# Altium PCB Mainboard_bc847c_bak.PcbDoc (part 1 of 2)
Units mm, origin at the board's own origin, x right, y up, seen from the top; angles counter-clockwise.
Board outline 200 x 58.2 mm, 2 copper layers (PWR, GND); 187 components, 194 nets, 654 pads, 78 vias.
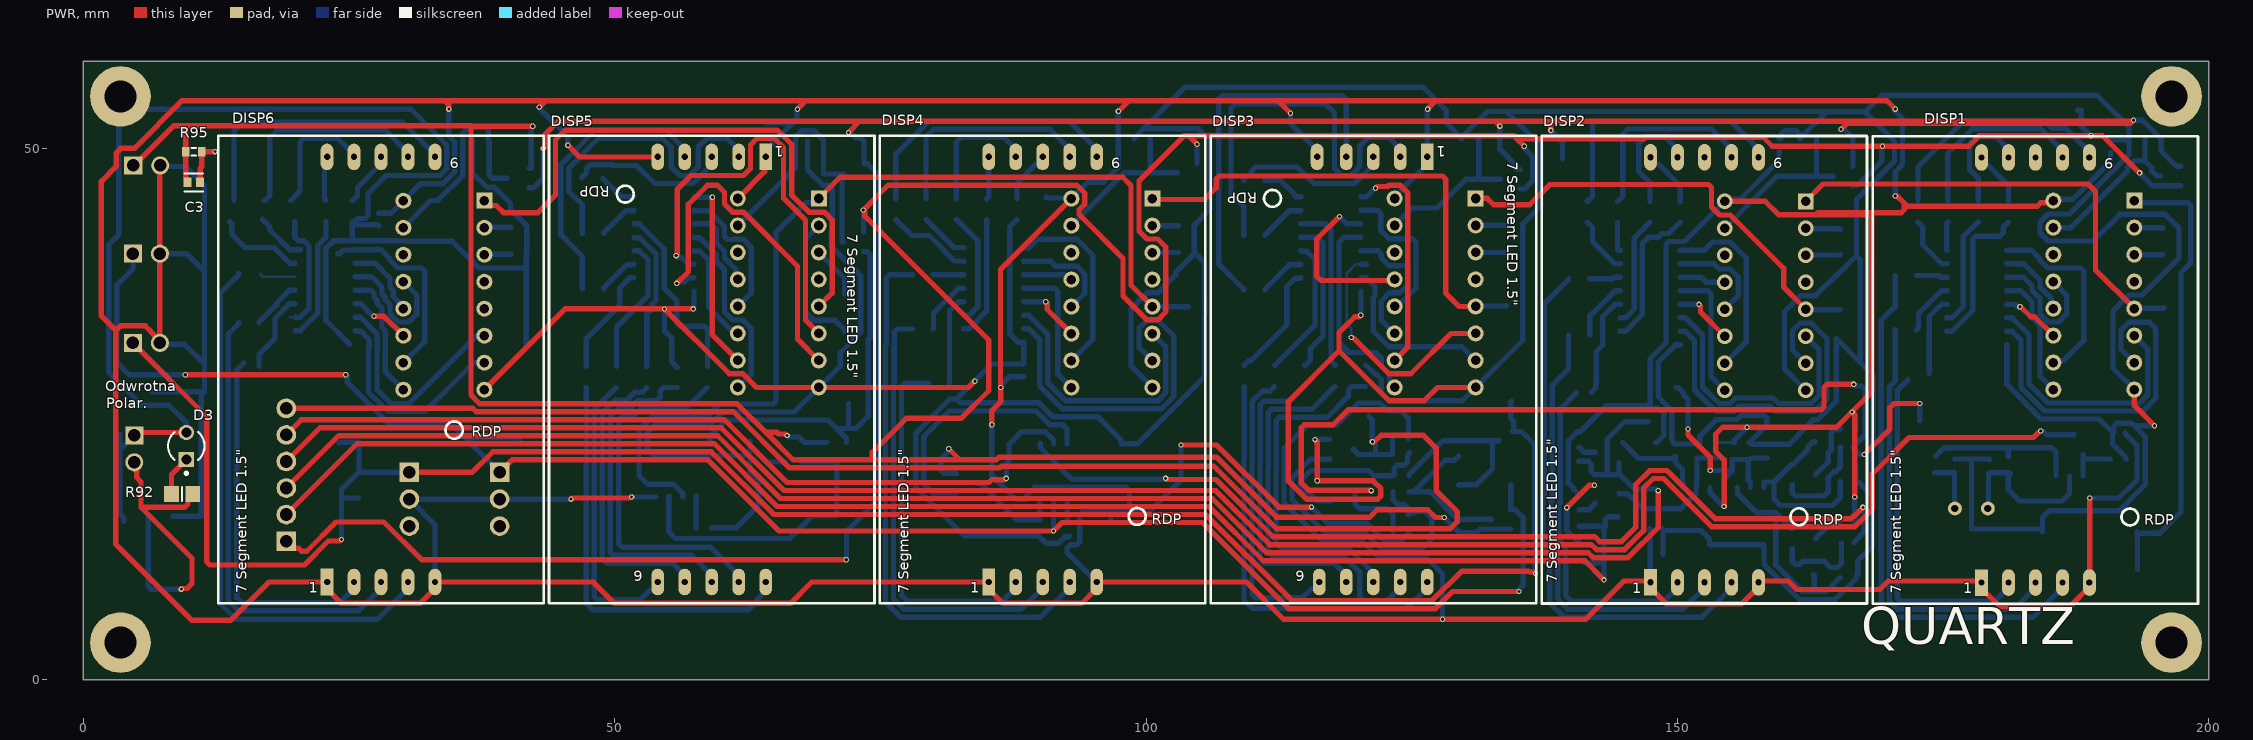
[diagram p0: PWR view]
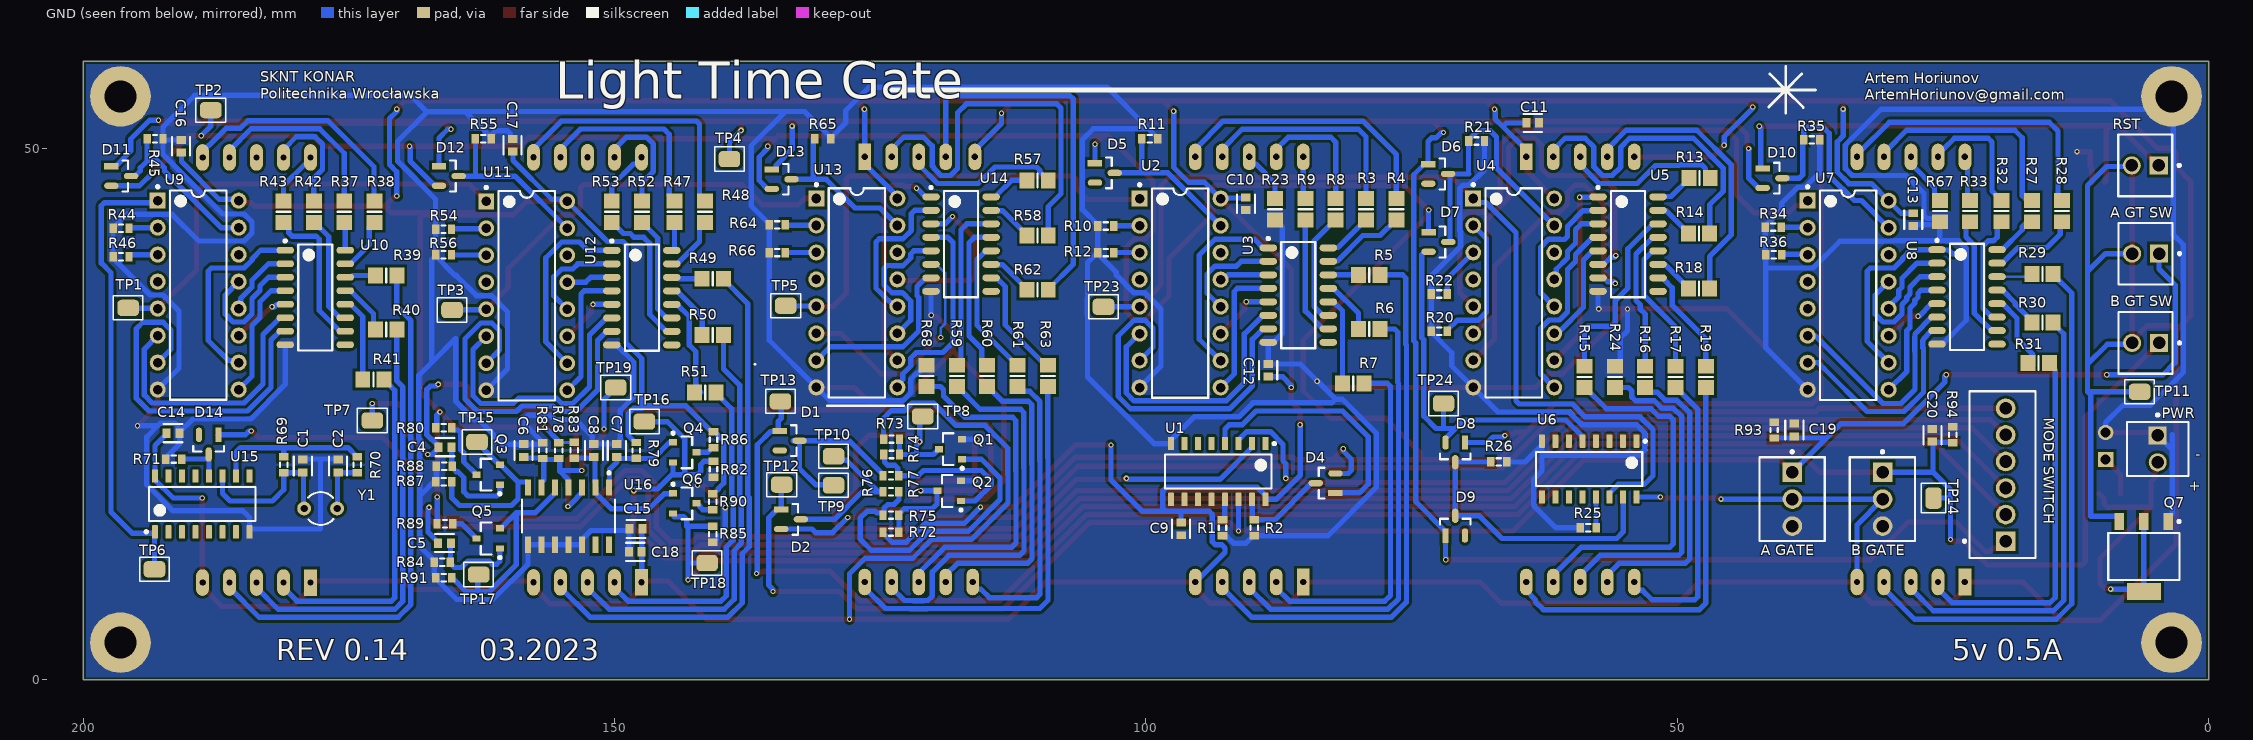
[diagram p1: GND view, seen from below]

## Layer stack, top to bottom
Top Solder: solder mask 0.0102, Solder Resist, Dk 3.5
PWR: signal copper 0.0356
Dielectric 1: dielectric 0.32, FR-4, Dk 4.8
GND: signal copper 0.0356
Bottom Solder: solder mask 0.0102, Solder Resist, Dk 3.5

## Board outline
0,0 200,0 200,58.2 0,58.2

## Design rules (kind name [scope] priority, off if disabled: settings)
BoardOutlineClearance [All] p1: gap=0.254 ignorepadtopadclearanceinfootprint=FALSE except(0: Arc-SplitContinuation Track-SplitContinuation SMDPad-SplitContinuation THPad-SplitContinuation Via-SplitContinuation Fill-SplitContinuation Poly-SplitContinuation Region-SplitContinuation Text-SplitContinuation)
Clearance [All] p1: gap=0.254 ignorepadtopadclearanceinfootprint=FALSE except(0: Arc-Hole Track-Hole SMDPad-Hole THPad-Hole Via-Hole Fill-Hole Poly-Hole Region-Hole Text-Hole)
HoleSize [All] p1: absolutevalues=TRUE maxlimit=6.3 minlimit=0.2 maxpercent=80.000 minpercent=20.000
HoleToHoleClearance HoleToHoleClearance_1 [All] p1: gap=0.5 allowstackedmicrovias=TRUE
MinimumSolderMaskSliver [All] p1: minsoldermaskwidth=0.2
PolygonConnect [All] p1: connectstyle=Direct reliefconductorwidth=0.254 reliefentries=4 polygonreliefangle="90 Angle" airgapwidth=0.254
RoomDefinition Bramka_Main [InComponentClass('Bramka_Main')] p1: confinementstyle=ConfineIn formatcopy=TRUE lockcomponents=FALSE outline 0,54.5 0.1,54.4 12.5,54.4 12.5,27.6 23.1,27.6 25,25.7 44.6,25.7 44.6,5 44.7,4.9 44.4,4.6 0,4.6 0,8.1 0.1,8.2
RoomDefinition "Licznik Minut" [InComponentClass('Licznik Minut')] p2: confinementstyle=ConfineIn formatcopy=TRUE lockcomponents=FALSE outline 12.443,4.9 43.7,4.9 43.7,53.9 12.443,53.9
RoomDefinition "Licznik Sekund" [InComponentClass('Licznik Sekund')] p3: confinementstyle=ConfineIn formatcopy=TRUE lockcomponents=FALSE outline 43.7,4.9 106.1,4.9 106.1,53.9 43.7,53.9
RoomDefinition "Uklad Sterowania" [InComponentClass('Uklad Sterowania')] p4: confinementstyle=ConfineIn formatcopy=TRUE lockcomponents=FALSE outline 76.1,4.7 168.2,4.7 168.2,25.7 76.1,25.7
RoomDefinition "SR latch" [InComponentClass('SR latch')] p5: confinementstyle=ConfineIn formatcopy=TRUE lockcomponents=FALSE outline 114.6,24.2 114.6,12.3 136.3,12.3 136.3,24.2
RoomDefinition "Uklad rozniczkujacy" [InComponentClass('Uklad rozniczkujacy')] p6: confinementstyle=ConfineIn formatcopy=TRUE lockcomponents=FALSE outline 137,25.4 137,8 170.4,8 170.9,8.5 169.9,9.5 169.9,25.3
RoomDefinition "Generator podstawy czasowej" [InComponentClass('Generator podstawy czasowej')] p7: confinementstyle=ConfineIn formatcopy=TRUE lockcomponents=FALSE outline 198.3,24.8 171.7,24.8 171.7,11.3 198.3,11.3
RoomDefinition "Licznik Milisekund" [InComponentClass('Licznik Milisekund')] p8: confinementstyle=ConfineIn formatcopy=TRUE lockcomponents=FALSE outline 106.1,4.9 199.2,4.9 199.2,53.9 106.1,53.9
RoutingVias [All] p1: holewidth=0.3 width=0.5 viastyle="Through Hole" minholewidth=0.3 minwidth=0.5 maxholewidth=0.711 maxwidth=1.27
SilkToSolderMaskClearance [All] p1: minsilkscreentomaskgap=0.15 clearancetoexposedcopper=TRUE
SolderMaskExpansion [All] p1: expansion=0.102 istentingtop=FALSE
Width [All] p1: maxlimit=0.5 minlimit=0.2 preferedwidth=0.5 minimp=50.000000 maximp=50.000000 favimp=50.000000
26 further rules are at their usual default settings.

## Classes and differential pairs
component class "Uklad Sterowania": 2 C9 D1 D2 D4 "MODE SWITCH" R1 R2 U1
component class "Uklad rozniczkujacy": C4 C5 C6 C7 C8 C15 Q3 Q4 Q5 Q6 R78 R79 R80 R81 R82 R83 R84 R85 R86 R87 R88 R89 R90 R91 TP15 TP16 TP17 TP18 TP19 U16
component class "SR latch": Q1 Q2 R72 R73 R74 R75 R76 R77 TP7 TP8 TP9 TP10
component class "Licznik Sekund": C11 C12 D5 D6 D7 D8 D9 DISP5 R3 R4 R5 R6 R7 R8 R9 R10 R11 R12 R13 R14 R15 R16 R17 R18 R19 R20 R21 R22 R23 R24 R25 R26 TP23 U2 U3 U4 U5 U6
component class "Licznik Minut": C13 D10 DISP6 R27 R28 R29 R30 R31 R32 R33 R34 R35 R36 R67 U7 U8
component class "Licznik Milisekund": C16 C17 C18 D11 D12 D13 DISP1 DISP3 R37 R38 R39 R40 R41 R42 R43 R44 R45 R46 R47 R48 R49 R50 R51 R52 R53 R54 R55 R56 R57 R58 R59 R60 R61 R62 R63 R64 R65 R66 R68 TP1 TP2 TP3 TP4 TP5 U9 U10 U11 U12 U13 U14
component class "Generator podstawy czasowej": C1 C2 C14 D14 R69 R70 R71 TP6 U15 Y1
component class Bramka_Main: "A GATE" "A GT SW" "B GATE" "B GT SW" C3 C19 C20 D3 PWR Q7 R92 R93 R94 R95 RST TP11 TP12 TP13 TP14

## Components (designator, comment, footprint, x,y, rotation, side; value= is the part's Value field where it differs from the comment)
"A GATE" "22-29-2031" FP-22-29-2031-MFG 39.2,17 r270 bottom (schematic designator "Bramka A")
"A GT SW" "22-27-2021" MOLX-22-27-2021_V 5.94,40.1 r0 bottom (schematic designator "Bramka A test")
"B GATE" "22-29-2031" FP-22-29-2031-MFG 30.7,17 r270 bottom (schematic designator "Bramka B")
"B GT SW" "22-27-2021" MOLX-22-27-2021_V 5.94,31.7 r0 bottom (schematic designator "Bramka B test")
C1 "C0603_30pf" FP-C0603C-CF-MFG 179.343,20.117 r90 bottom value="30 pF"
C2 "C0603_30pf" FP-C0603C-CF-MFG 176.024,20.117 r90 bottom value="30 pF"
C3 "C0603_30pf" FP-C0603C-CF-MFG 10.4,46.8 r0 top value="30 pF"
C4 "C0603_10nf" FP-C0603C-CF-MFG 165.962,21.887 r180 bottom value="30 pF"
C5 "C0603_10nf" FP-C0603C-CF-MFG 166.015,12.867 r180 bottom value="30 pF"
C6 "C0603_1nf" FP-C0603C-CF-MFG 158.565,21.573 r270 bottom value="30 pF"
C7 "C0603_1nf" FP-C0603C-CF-MFG 149.796,21.584 r270 bottom value="30 pF"
C8 "C0603_1nf" FP-C0603C-CF-MFG 151.953,21.573 r270 bottom value="30 pF"
C9 "C0603_100nf" FP-C0603C-CF-MFG 96.7,14.2 r90 bottom value="30 pF"
C10 "C0603_100nf" FP-C0603C-CF-MFG 90.6,44.8 r90 bottom value="30 pF"
C11 "C0603_100nf" FP-C0603C-CF-MFG 63.6,52.4 r0 bottom value="30 pF"
C12 "C0603_100nf" FP-C0603C-CF-MFG 88.5,29.121 r270 bottom value="30 pF"
C13 "C0603_100nf" FP-C0603C-CF-MFG 27.805,43.3 r90 bottom value="30 pF"
C14 "C0603_100nf" FP-C0603C-CF-MFG 191.554,23.2 r0 bottom value="30 pF"
C15 "C0603_100nf" FP-C0603C-CF-MFG 148,14.2 r180 bottom value="30 pF"
C16 "C0603_100nf" FP-C0603C-CF-MFG 190.793,50.2 r270 bottom value="30 pF"
C17 "C0603_100nf" FP-C0603C-CF-MFG 159.6,50.3 r270 bottom value="30 pF"
C18 "C0603_100nf" FP-C0603C-CF-MFG 148.064,12.043 r180 bottom value="30 pF"
C19 "C0603_30pf" FP-C0603C-CF-MFG 39,23.5 r90 bottom value="30 pF"
C20 "C0603_30pf" FP-C0603C-CF-MFG 26,23 r90 bottom value="30 pF"
D1 "BAT54C-7-F" FP-SOT23-IPC_B 133.527,22.5 r180 bottom
D2 "BAT54C-7-F" FP-SOT23-IPC_B 133.4,15.1 r180 bottom
D3 "HLMP-1301" FP-HLMP-1301-MFG 9.7,22 r90 top
D4 "BAT54C-7-F" FP-SOT23-IPC_B 83.1,18.5 r0 bottom
D5 "BAT54C-7-F" FP-SOT23-IPC_B 103.875,47.7 r180 bottom
D6 "BAT54C-7-F" FP-SOT23-IPC_B 72.5,47.6 r180 bottom
D7 "BAT54C-7-F" FP-SOT23-IPC_B 72.485,41.2 r180 bottom
D8 "BAT54C-7-F" FP-SOT23-IPC_B 70.9,21.4 r270 bottom
D9 "BAT54C-7-F" FP-SOT23-IPC_B 70.9,14.5 r90 bottom
D10 "BAT54C-7-F" FP-SOT23-IPC_B 41.043,47.2 r180 bottom
D11 "BAT54C-7-F" FP-SOT23-IPC_B 196.427,47.4 r180 bottom
D12 "BAT54C-7-F" FP-SOT23-IPC_B 165.6,47.4 r180 bottom
D13 "BAT54C-7-F" FP-SOT23-IPC_B 134.285,47.1 r180 bottom
D14 "BAT54C-7-F" FP-SOT23-IPC_B 188.2,22.127 r270 bottom
DISP1 "LSD150BAG-101-01" "7 segment display"#1 178.616,9.149 r90 top
DISP2 "LSD150BAG-101-01" "7 segment display"#1 147.471,9.17 r90 top
DISP3 "LSD150BAG-101-01_RDP_UP" "7 segment display"#2 126.468,49.2 r270 top
DISP4 "LSD150BAG-101-01" "7 segment display"#1 85.2,9.2 r90 top
DISP5 "LSD150BAG-101-01_RDP_UP" "7 segment display"#1 64.212,49.2 r270 top
DISP6 "LSD150BAG-101-01" "7 segment display"#1 22.94,9.2 r90 top
"MODE SWITCH" "22-04-1061" FP-22-04-1061-MFG 19.4,19.296 r270 bottom (schematic designator "Prelacznik trybu")
PWR "22-27-2021" MOLX-22-27-2021_V 4.8,21.73 r270 bottom (schematic designator Zasilanie)
Q1 "BC847C" INF-SOT23_L 118.5,17.771 r0 bottom
Q2 "BC847C" INF-SOT23_L 118.4,21.7 r0 bottom
Q3 "BC847C" INF-SOT23_L 161.9,19.3 r0 bottom
Q4 "BC847C" INF-SOT23_L 143.4,21.4 r180 bottom
Q5 "BC847C" INF-SOT23_L 161.9,13.3 r0 bottom
Q6 "BC847C" INF-SOT23_L 143.4,16.6 r180 bottom
Q7 "BSP170P" INF-PG-SOT223_SC-73_N 6.1,11.6 r270 bottom
R1 "Res3" J1-0603 92.8,14.3 r270 bottom value=100K
R2 "Res3" J1-0603 89.8,14.3 r270 bottom value=100K
R3 "Res3" 6-0805_M 79.298,44.274 r90 bottom value=150
R4 "Res3" 6-0805_M 76.444,44.274 r90 bottom value=150
R5 "Res3" 6-0805_M 78.991,38.1 r180 bottom value=150
R6 "Res3" 6-0805_M 78.991,33 r180 bottom value=150
R7 "Res3" 6-0805_M 80.5,27.9 r180 bottom value=150
R8 "Res3" 6-0805_M 82.152,44.274 r90 bottom value=150
R9 "Res3" 6-0805_M 85.006,44.274 r90 bottom value=150
R10 "Res3" J1-0603 103.8,42.7 r0 bottom value=100K
R11 "Res3" J1-0603 99.65,50.9 r180 bottom value=100K
R12 "Res3" J1-0603 103.8,40.2 r0 bottom value=100K
R13 "Res3" 6-0805_M 47.9,47.2 r180 bottom value=150
R14 "Res3" 6-0805_M 47.962,42 r180 bottom value=150
R15 "Res3" 6-0805_M 58.734,28.5 r270 bottom value=150
R16 "Res3" 6-0805_M 53.025,28.5 r270 bottom value=150
R17 "Res3" 6-0805_M 50.171,28.5 r270 bottom value=150
R18 "Res3" 6-0805_M 47.962,36.8 r180 bottom value=150
R19 "Res3" 6-0805_M 47.316,28.5 r270 bottom value=150
R20 "Res3" J1-0603 72.4,32.8 r0 bottom value=100K
R21 "Res3" J1-0603 68.9,50.7 r180 bottom value=100K
R22 "Res3" J1-0603 72.4,36.3 r0 bottom value=100K
R23 "Res3" 6-0805_M 87.861,44.274 r90 bottom value=150
R24 "Res3" 6-0805_M 55.879,28.5 r270 bottom value=150
R25 "Res3" J1-0603 58.4,14.3 r0 bottom value=100K
R26 "Res3" J1-0603 66.8,20.5 r180 bottom value=100K
R27 "Res3" 6-0805_M 16.643,44.1 r90 bottom value=150
R28 "Res3" 6-0805_M 13.789,44.1 r90 bottom value=150
R29 "Res3" 6-0805_M 15.643,38.2 r180 bottom value=150
R30 "Res3" 6-0805_M 15.643,33.6 r180 bottom value=150
R31 "Res3" 6-0805_M 16,29.8 r180 bottom value=150
R32 "Res3" 6-0805_M 19.498,44.1 r90 bottom value=150
R33 "Res3" 6-0805_M 22.443,44.1 r90 bottom value=150
R34 "Res3" J1-0603 40.993,42.6 r0 bottom value=100K
R35 "Res3" J1-0603 37.343,50.8 r180 bottom value=100K
R36 "Res3" J1-0603 40.943,40 r0 bottom value=100K
R37 "Res3" 6-0805_M 175.446,44.047 r90 bottom value=150
R38 "Res3" 6-0805_M 172.591,44.047 r90 bottom value=150
R39 "Res3" 6-0805_M 171.496,38.047 r180 bottom value=150
R40 "Res3" 6-0805_M 171.496,32.947 r180 bottom value=150
R41 "Res3" 6-0805_M 172.7,28.247 r180 bottom value=150
R42 "Res3" 6-0805_M 178.3,44.047 r90 bottom value=150
R43 "Res3" 6-0805_M 181.154,44.047 r90 bottom value=150
R44 "Res3" J1-0603 196.45,42.5 r0 bottom value=100K
R45 "Res3" J1-0603 193.25,50.9 r180 bottom value=100K
R46 "Res3" J1-0603 196.45,39.8 r0 bottom value=100K
R47 "Res3" 6-0805_M 144.363,44.035 r90 bottom value=150
R48 "Res3" 6-0805_M 141.509,44.035 r90 bottom value=150
R49 "Res3" 6-0805_M 140.763,37.735 r180 bottom value=150
R50 "Res3" 6-0805_M 140.763,32.435 r180 bottom value=150
R51 "Res3" 6-0805_M 141.471,27.035 r180 bottom value=150
R52 "Res3" 6-0805_M 147.417,44.035 r90 bottom value=150
R53 "Res3" 6-0805_M 150.271,44.035 r90 bottom value=150
R54 "Res3" J1-0603 166.1,42.4 r0 bottom value=100K
R55 "Res3" J1-0603 162.35,50.9 r180 bottom value=100K
R56 "Res3" J1-0603 166.1,40 r0 bottom value=100K
R57 "Res3" 6-0805_M 110.2,47 r180 bottom value=150
R58 "Res3" 6-0805_M 110.2,41.8 r180 bottom value=150
R59 "Res3" 6-0805_M 117.8,28.6 r270 bottom value=150
R60 "Res3" 6-0805_M 114.946,28.6 r270 bottom value=150
R61 "Res3" 6-0805_M 112.091,28.6 r270 bottom value=150
R62 "Res3" 6-0805_M 110.2,36.7 r180 bottom value=150
R63 "Res3" 6-0805_M 109.237,28.6 r270 bottom value=150
R64 "Res3" J1-0603 134.7,42.8 r0 bottom value=100K
R65 "Res3" J1-0603 130.4,50.9 r180 bottom value=100K
R66 "Res3" J1-0603 134.7,40.2 r0 bottom value=100K
R67 "Res3" 6-0805_M 25.298,44.1 r90 bottom value=150
R68 "Res3" 6-0805_M 120.654,28.6 r270 bottom value=150
R69 "Res3" J1-0603 181.147,20.217 r90 bottom value=1M
R70 "Res3" J1-0603 174.217,20.217 r270 bottom value=330R
R71 "Res3" J1-0603 191.504,20.771 r0 bottom value=100K
R72 "Res3" J1-0603 124,13.9 r180 bottom value=4K7
R73 "Res3" J1-0603 123.947,22.654 r180 bottom value=4K7
R74 "Res3" J1-0603 123.947,21.2 r180 bottom value=470K
R75 "Res3" J1-0603 124,15.5 r0 bottom value=470K
R76 "Res3" J1-0603 124,19.2 r180 bottom value=100K
R77 "Res3" J1-0603 124,17.7 r180 bottom value=100K
R78 "Res3" J1-0603 155.261,21.573 r270 bottom value=220K
R79 "Res3" J1-0603 147.961,21.58 r270 bottom value=10k
R80 "Res3" J1-0603 166.065,23.706 r180 bottom value=250
R81 "Res3" J1-0603 156.761,21.573 r90 bottom value=51K
R82 "Res3" J1-0603 140.7,19.8 r270 bottom value=10k
R83 "Res3" J1-0603 153.8,21.6 r270 bottom value=10k
R84 "Res3" J1-0603 166.215,11.06 r0 bottom value=100K
R85 "Res3" J1-0603 140.774,13.7 r270 bottom value=10k
R86 "Res3" J1-0603 140.7,22.6 r270 bottom value=250
R87 "Res3" J1-0603 166.065,18.626 r0 bottom value=10k
R88 "Res3" J1-0603 166.044,20.08 r0 bottom value=100K
R89 "Res3" J1-0603 165.965,14.672 r180 bottom value=250
R90 "Res3" J1-0603 140.774,16.754 r270 bottom value=250
R91 "Res3" J1-0603 166.065,9.606 r0 bottom value=10k
R92 "Res3" 6-0805_M 9.3,17.5 r0 top value=220
R93 "Res3" J1-0603 40.9,23.5 r90 bottom value=220k
R94 "Res3" J1-0603 24.1,23.05 r90 bottom value=220k
R95 "Res3" J1-0603 10.4,49.7 r0 top value=220k
RST "22-27-2021" MOLX-22-27-2021_V 5.97,48.4 r0 bottom (schematic designator "Reset Na panel")
TP1 "100Hz" TestPoint-Footprint-1 195.78,35 r180 bottom
TP2 "Display RST 1" TestPoint-Footprint-1 188,53.6 r180 bottom
TP3 "10Hz" TestPoint-Footprint-1 165.3,34.8 r180 bottom
TP4 "Display Rst 2" TestPoint-Footprint-1 139.2,49 r180 bottom
TP5 "1Hz" TestPoint-Footprint-1 133.9,35.2 r180 bottom
TP6 "1kHz" TestPoint-Footprint-1 193.3,10.4 r180 bottom
TP7 "Qn" TestPoint-Footprint-1 172.8,24.4 r180 bottom
TP8 "Q" TestPoint-Footprint-1 121,24.786 r180 bottom
TP9 "S" TestPoint-Footprint-1 129.4,18.3 r180 bottom
TP10 "R" TestPoint-Footprint-1 129.4,21.028 r180 bottom
TP11 "TestPoint" TestPoint-Footprint-1 6.5,27.1 r180 bottom
TP12 "GATE A" TestPoint-Footprint-1 134.275,18.361 r180 bottom
TP13 "GATE B" TestPoint-Footprint-1 134.4,26.2 r180 bottom
TP14 "TestPoint" TestPoint-Footprint-1 25.9,17.1 r270 bottom
TP15 "SR in" TestPoint-Footprint-1 162.947,22.386 r180 bottom
TP16 "SR rst pulse" TestPoint-Footprint-1 147.2,24.29 r180 bottom
TP17 "4017in" TestPoint-Footprint-1 162.8,9.9 r180 bottom
TP18 "4017 Rst pulse" TestPoint-Footprint-1 141.3,10.989 r180 bottom
TP19 "Vref" TestPoint-Footprint-1 149.9,27.5 r180 bottom
TP23 "0.1Hz" TestPoint-Footprint-1 104,35.1 r180 bottom
TP24 "60 Reset pulse" TestPoint-Footprint-1 72,26 r180 bottom
U1 "CD4017BM96" D0016A_L 93.2,19.6 r270 bottom
U2 "CD4026BE" N0016A 96.79,36.39 r180 bottom
U3 "ULN2003D1013TR" STM-SO-16_M 85.671,36.2 r180 bottom
U4 "CD4026BE" N0016A 65.4,36.4 r180 bottom
U5 "ULN2003D1013TR" STM-SO-16_M 54.641,40.995 r180 bottom
U6 "CD4017BM96" D0016A_L 58.3,19.829 r270 bottom
U7 "CD4026BE" N0016A 33.933,36.19 r180 bottom
U8 "ULN2003D1013TR" STM-SO-16_M 22.743,36.026 r180 bottom
U9 "CD4026BE" N0016A 189.19,36.197 r180 bottom
U10 "ULN2003D1013TR" STM-SO-16_M 178.175,35.972 r180 bottom
U11 "CD4026BE" N0016A 158.271,36.135 r180 bottom
U12 "ULN2003D1013TR" STM-SO-16_M 147.442,35.961 r180 bottom
U13 "CD4026BE" N0016A 127.2,36.4 r180 bottom
U14 "ULN2003D1013TR" STM-SO-16_M 117.4,41 r180 bottom
U15 "CD4060BM96" D0016A_L 188.805,16.542 r90 bottom
U16 "LM339DR" FP-D0014A-MFG 154.343,15.394 r270 bottom
Y1 "4.096MHz" R38 177.667,16.117 r90 bottom

## Footprints (in the part's own frame and the unit in brackets; to place one, negate y for a bottom-side part, rotate by r counter-clockwise, add the part's x,y. Pads: shape width x height; smd on the part's side, far side on the other; paste and mask are expansions set on the pad)
6-0805_M [mm] "Chip Resistor, Body 2.0x1.2mm, IPC Low Density"
  rect 1.4x1.5 smd: 1(-1,0) 2(1,0)
  silkscreen extent 0,-0.65 0,0.65, body extent -1.07,-0.7 1.07,0.7, height 0.7
"7 segment display"#1 [mm]
  rect 2.5x1.2 hole 0.6: 1(0,0)
  oval 2.5x1.2 hole 0.6: 2(0,-2.54) 3(0,-5.08) 4(0,-7.62) 5(0,-10.16) 6(40,-10.16) 7(40,-7.62) 8(40,-5.08) 9(40,-2.54) 10(40,0)
  silkscreen extent -2,-20.38 42,10.24
"7 segment display"#2 [mm]
  rect 2.5x1.2 hole 0.6: 1(0,0)
  oval 2.5x1.2 hole 0.6: 2(0,-2.54) 3(0,-5.08) 4(0,-7.62) 5(0,-10.368) 6(40,-10.16) 7(40,-7.62) 8(40,-5.08) 9(40,-2.54) 10(40,0)
  silkscreen extent -2,-20.38 42,10.24
D0016A_L [mm] "SOIC, 16-Leads, Body 10x4mm, Pitch 1.27mm, IPC High Density"
  rrect18% 1.25x0.55 smd: 1(-2.625,4.445) 2(-2.625,3.175) 3(-2.625,1.905) 4(-2.625,0.635) 5(-2.625,-0.635) 6(-2.625,-1.905) 7(-2.625,-3.175) 8(-2.625,-4.445) 9(2.625,-4.445) 10(2.625,-3.175) 11(2.625,-1.905) 12(2.625,-0.635) 13(2.625,0.635) 14(2.625,1.905) 15(2.625,3.175) 16(2.625,4.445)
  silkscreen extent -2.75,-5 1.6,5.39, body extent -3,-4.95 3,4.95, height 1.59
FP-22-04-1061-MFG [mm]
  rect 1.85x1.85 hole 1.2 paste-1000 mask+0: 1(6.25,0.3)
  round 1.85 hole 1.2 paste-1000 mask+0: 2(3.75,0.3) 3(1.25,0.3) 4(-1.25,0.3) 5(-3.75,0.3) 6(-6.25,0.3)
  silkscreen extent -7.85,-3.7 7.85,3.1, body extent -7.25,-2.9 7.25,2.9, height 12.1
FP-22-29-2031-MFG [mm]
  rect 1.84x1.84 hole 1.19 paste-1000 mask+0: 1(-2.54,0.02)
  round 1.84 hole 1.19 paste-1000 mask+0: 2(0,0.02) 3(2.54,0.02)
  silkscreen extent -4.57,-3.08 3.94,3.08, body extent -3.81,-2.9 3.81,2.9, height 12.05
FP-C0603C-CF-MFG [mm]
  rect 0.75x0.9 smd paste+0 mask+0: 1(-0.6,0) 2(0.6,0)
  silkscreen extent -0.87,-0.85 0.88,0.85, body extent -0.8,-0.4 0.8,0.4, height 0.87
FP-D0014A-MFG [mm]
  rect 1.55x0.6 smd paste-1000 mask+0: 1(-2.7,3.81) 2(-2.7,2.54) 3(-2.7,1.27) 4(-2.7,0) 5(-2.7,-1.27) 6(-2.7,-2.54) 7(-2.7,-3.81) 8(2.7,-3.81) 9(2.7,-2.54) 10(2.7,-1.27) 11(2.7,0) 12(2.7,1.27) 13(2.7,2.54) 14(2.7,3.81)
  silkscreen extent -4.2,-4.38 1.55,4.38, body extent -3,-4.33 3,4.33, height 1.75
FP-HLMP-1301-MFG [mm]
  rect 1.45x1.45 hole 0.95 paste-1000 mask+0: 1(-1.27,0)
  round 1.45 hole 0.95 paste-1000 mask+0: 2(1.27,0)
  silkscreen extent -2.7,-1.71 1.3,1.71, body extent -2.22,-2.22 2.22,2.22, height 0.25
FP-SOT23-IPC_B [mm]